# Altium PCB AMS_Master_A1.PcbDoc (part 2 of 2)
Units mil, origin at the board's own origin, x right, y up, seen from the top; angles counter-clockwise.
Board outline 4990 x 5235 mil, 4 copper layers (Top Layer, Int1 (GND), Int2 (PWR), Bottom Layer), stack 53.912 mil thick; 189 components, 127 nets, 609 pads, 321 vias.
Unrouted connection lines stored in the file: 1.
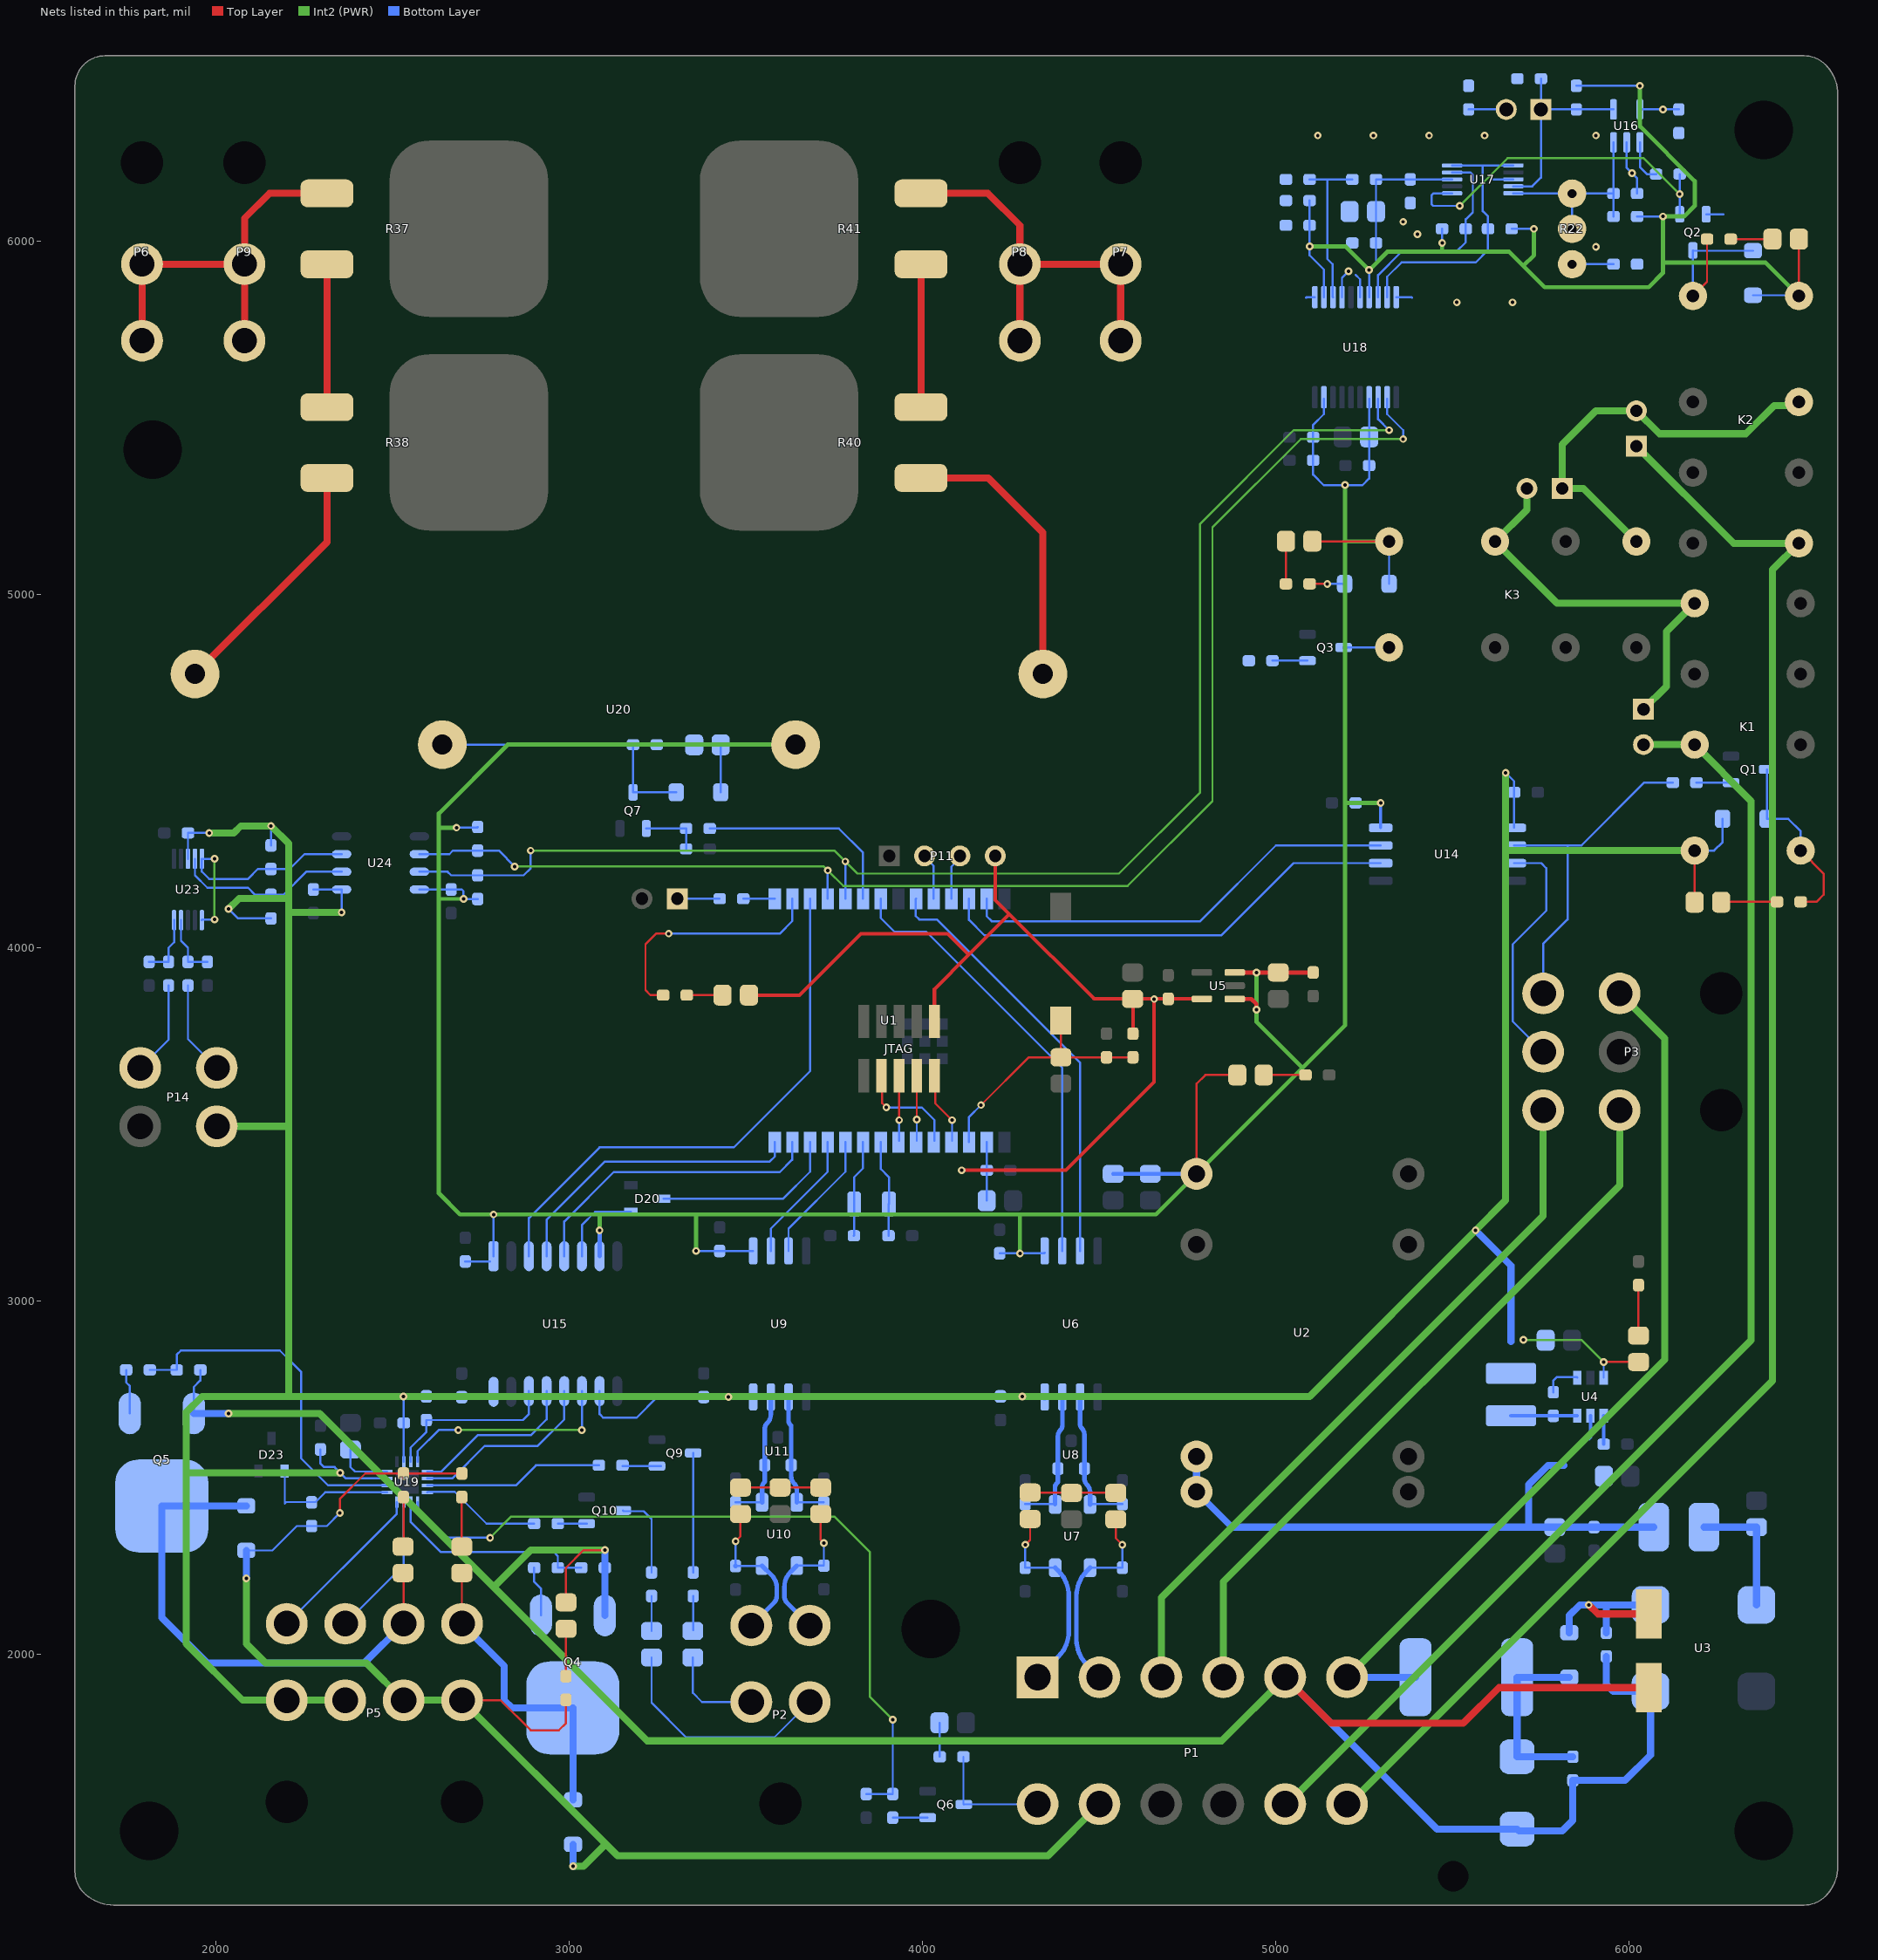
[diagram p4: the nets of this part, all layers, seen from the top]

## Via types
v1: diameter 21.65, hole 9.84, Top Layer to Bottom Layer, 321 vias

## Nets (pads, with @x,y where several pads share a name; then routed paths per layer and width w, separated by ;. In a path a pad name is that pad's centre, name@x,y a point inside that pad or via, vN(x,y) a via of type N, cw(c..) or ccw(c..) an arc to the next point about the centre after c; other vN are vias at no path point) (continued)
"3V3 (ISO)": C9.2 C14.2 C15.2 C57.2 D16.A JTAG.1 P11.4 R60.1 U1.2 U5.5 | length 3156
  Top Layer w10: D16.A@3507.87,3866.03 3651.03,3866.03 3825,4040 4070,4040 4130,3980 ; JTAG.1@4032.99,3791.54 4032.99,3882.99 4130,3980 ; v1(4110,3370) 4405,3370 4655,3620 v1(4655,3855) ; P11.4@4205,4260 4205,4135 4245,4095 ; R60.1@4595,3756.93 4595,3854.17 C14.2@4593.97,3855.2 ; U5.5@4790,3855.2 C15.2@4695,3855.2 C14.2@4593.97,3855.2 ; 4130,3980 4245,4095 ; 4245,4095 4484.8,3855.2 C14.2@4593.97,3855.2
  Bottom Layer w6: v1(4110,3370) C57.2@4180.98,3370 ; C9.2@4180.98,3283.97 C57.2@4180.98,3370 ; U1.2@4180.98,3450.55 C57.2@4180.98,3370
5V: C17.2 C18.2 C25.2 C36.2 C40.2 C55.2 C56.2 C59.2 C60.2 D4.A D5.A D6.K K1.16 L2.1 P5.5 P5.7 P14.2 R19.2 R57.2 R58.2 U4.3 U6.8 U9.8 U14.1 U15.10 U15.16 U19.7 U19.10 U23.8 U24.1 | length 12704.1
  Top Layer w6: v1(5927.4,2827.4) D4.A@6026.03,2827.4 ; D5.A@6185,4128.97 K1.16@6185,4275
  Int2 (PWR) w6: v1(5700,2890) 5864.8,2890 v1(5927.4,2827.4)
  Int2 (PWR) w20: 1920,2513.88 v1(2351.12,2513.88) ; v1(1980,4325) 2050,4325 2070,4345 v1(2155,4345) 2205,4295 2205,4140 ; P14.2@2001.54,3494.65 2200.35,3494.65 2205,3490 ; v1(2034.84,4109.84) 2065,4140 2205,4140 ; v1(2355,4100) 2205,4100 ; P5.5@2365,1870 P5.7@2199.65,1870 2075,1870 1915,2030 1915,2685 1960,2730 2205,2730 ; v1(5650,4495) 5650,4280 ; K1.16@6185,4275 5655,4275 5650,4280 ; 2205,2730 2205,3490 ; 2205,2730 v1(2530,2730) v1(4281.65,2730) 5095,2730 v1(5565,3200) 5650,3285 5650,4280 ; 2205,3490 2205,4100 ; 2205,4100 2205,4140
  Bottom Layer w5.98: U23.8@1920,4251.61 C55.2@1920,4325 ; v1(2034.84,4109.84) 2061.77,4082.91 R58.2@2154.84,4082.91 ; v1(2530,2730) R19.2@2595,2730 ; U19.10@2530.32,2545.32 2530.32,2655 2530,2655.32 2530,2729.37 v1@2530.32,2729.68 ; C25.2@3380,2728.31 v1(3450,2728.31) U9.8@3520,2728.31 ; C18.2@4220,2730 v1(4281.65,2730) U6.8@4343.31,2730
  Bottom Layer w6: C55.2@1920,4325 v1(1980,4325) ; R57.2@2154.84,4289.84 2154.92,4289.92 2154.92,4344.92 v1(2155,4345) ; C56.2@2275,4165 U24.1@2355,4165 v1(2355,4100) ; C59.2@2295,2580 2295,2540 2305,2530 2335,2530 2367.24,2497.76 U19.7@2483.39,2497.76 ; R19.2@2595,2730 2595.99,2729.01 2694.01,2729.01 C40.2@2695,2728.02 U15.16@2775,2728.02 ; U15.10@3085,2745.04 3085,2680 3095,2670 3190,2670 3248.31,2728.31 C25.2@3380,2728.31 ; v1(5650,4495) 5673.98,4471.02 C36.2@5673.98,4440 U14.1@5673.98,4339.53 ; U4.3@5927.4,2783.27 v1(5927.4,2827.4) ; K1.16@6185,4275 6240,4275 6264.02,4299.02 D6.K@6264.02,4365
  Bottom Layer w20: U6.8@4343.31,2730 U6.8@4345,2728.31 ; v1(5565,3200) 5665,3100 5665,2885
"5V (ISO)": C1.2 C2.2 C12.2 C13.2 C19.2 C26.2 C37.2 C38.2 C48.2 C49.2 C50.2 C51.2 C54.2 D2.A D9.A D10.K D17.A D18.K K3.16 R55.2 R56.2 U2.14 U5.1 U5.3 U6.1 U9.1 U14.8 U15.1 U15.7 U18.4 U18.9 U20.2 U24.8 | length 10586.2
  Top Layer w6: U2.14@4775,3360 4775,3615 4800,3640 D2.A@4890.2,3640 ; D9.A@5102.87,5151.03 5103.9,5150 K3.16@5320,5150
  Top Layer w12: U5.1@4883,3855.2 4929.8,3855.2 4943.87,3841.13 4943.87,3825.64 v1(4944.52,3825) ; U5.3@4883,3930 v1(4944.52,3930) C12.2@5006.03,3930 C13.2@5105,3930
  Int2 (PWR) w6: 2630,4140 2631.93,4138.07
  Int2 (PWR) w10: 2631.93,4138.07 v1(2700,4138.07)
  Int2 (PWR) w12: v1(2680,4340) 2630,4340 ; v1(3085,3200) 3085,3245 ; v1(3358.31,3141.69) v1@3360,3143.39 ; v1@3358.31,3143.39 3358.31,3245 ; U20.2@3640,4575 2825,4575 2630,4380 2630,4340 ; v1(4275,3135) 4275,3245 ; v1(4944.52,3930) v1(4944.52,3825) 4944.52,3790.48 5070,3665 ; v1(5195,5310) 5195,5150 ; v1@5295,4410 5195,4410 ; K3.16@5320,5150 5195,5150 ; 2630,4340 2630,4140 2630,3305 2690,3245 v1(2785,3245) 3085,3245 ; 3085,3245 3205,3245 3358.31,3245 ; 3358.31,3245 4275,3245 ; 4275,3245 4660,3245 U2.14@4775,3360 5195,3780 5195,4410 ; 5195,4410 5195,5150
  Bottom Layer w6: U24.8@2575,4165 C54.2@2665,4165 2695,4165 2700,4160 v1(2700,4138.07) R55.2@2740,4138.07 ; v1(2680,4340) 2738.07,4340 R56.2@2740,4341.93 ; C38.2@2705,3112.02 U15.1@2775,3112.02 ; U15.1@2785,3127.02 v1(2785,3245) ; v1(3358.31,3141.69) C26.2@3425,3141.69 U9.1@3520,3141.69 ; D18.K@3427.99,4440 D17.A@3427.99,4568.85 ; D17.A@3427.99,4575 U20.2@3640,4575 ; C19.2@4217.5,3135 v1(4275,3135) 4343.31,3135 U6.1@4345,3136.69 ; U18.9@5135.43,5553.27 5135.43,5510.43 5105,5480 C50.2@5105,5445 C51.2@5105,5380 5105,5339.45 5135,5309.45 5244.45,5309.45 5263.39,5328.39 C48.2@5263.39,5365 C49.2@5263.39,5446.03 U18.4@5263.39,5553.27 ; D10.K@5320,5030 K3.16@5320,5150
  Bottom Layer w8: C37.2@5225,4410 v1(5296.02,4410) U14.8@5296.02,4339.53
  Bottom Layer w10: C2.2@4538.97,3360 C1.2@4643.97,3360 U2.14@4760,3360
  Bottom Layer w12: U15.7@3085,3127.02 v1(3085,3200)
AIR+: D12.A D15.K P5.4 Q5.D | length 1482.9
  Top Layer w6: D15.K@2528.97,2230 2530.35,2228.61 P5.4@2530.35,2086.54
  Bottom Layer w20: D12.A@2085,2420 Q5.D@1846.06,2420 1846.06,2103.94 1975,1975 2418.82,1975 P5.4@2530.35,2086.54
AIR-: D11.A D14.K P5.2 Q4.D | length 873.6
  Top Layer w5.98: P5.2@2695.35,2086.89 D14.K@2695.35,2229.65
  Top Layer w20: D14.K@2695,2230 D14.K@2695.35,2229.65 ; P5.2@2695.35,2086.89 P5.2@2695.71,2086.54
  Bottom Layer w20: P5.2@2695.71,2086.54 2815,1967.24 2815,1870 2836.81,1848.19 Q4.D@3009.45,1848.19 3010,1847.64 D11.A@3010,1587.99
AIR_PWR_HEADER: D11.K D12.K P1.11 P5.1 P5.3 R28.2 R29.2 R43.2 R44.2 | length 4298.3
  Top Layer w5.98: v1(2350,2400) 2350,2440 2421.93,2511.93 R29.2@2530,2511.93 R28.2@2695.2,2511.93
  Top Layer w6: P5.1@2695.71,1870 2805,1870 2890,1785 2970,1785 2990,1805 R43.2@2990,1871.03 R43.2@2988.97,1870
  Int2 (PWR) w20: v1(2085,2215) 2085,2030 2140,1975 2425.35,1975 P5.3@2530.35,1870 P5.1@2695.71,1870 3102.85,1462.85 ; v1(3010,1400) 3040,1400 3102.85,1462.85 ; P1.11@4500.2,1575.94 4354.25,1430 3135.71,1430 3102.85,1462.85
  Bottom Layer w5.98: D12.K@2085,2294.02 2159.02,2294.02 2228.07,2363.07 R44.2@2270,2363.07 2313.07,2363.07 v1(2350,2400)
  Bottom Layer w20: v1(2085,2215) D12.K@2085,2294.02 ; v1(3010,1400) D11.K@3010,1462.01
BOOT0: BOOT.1 R2.2 | length 120
  Bottom Layer w6: BOOT.1@3305,4138.74 R2.2@3425,4138.74
CAN1_N: C22.2 P1.2 R5.1 U7.2 | length 580.8
  Top Layer w6: R5.1@4546.03,2382.13 4546.03,2328.97 v1(4565,2310)
  Bottom Layer w6: U7.2@4473.43,2245 C22.2@4565,2245 v1(4565,2310)
  Bottom Layer w12.99: U7.2@4473.43,2245 4464.33,2235.9 ccw(c4535.04,2165.19) 4435.04,2165.19 4435.04,2041.58 ccw(c4535.04,2041.58) 4464.33,1970.87 P1.2@4500.2,1935
CAN1_P: C21.2 P1.1 R4.2 U7.1 | length 582.8
  Top Layer w6: v1(4290.49,2310.49) 4303.97,2323.97 R4.2@4303.97,2383.07
  Bottom Layer w6: v1(4290.49,2310.49) 4290.25,2310.25 4290.25,2245.25 C21.2@4290,2245 U7.1@4375,2245
  Bottom Layer w12.99: P1.1@4325,1935 4384.1,1994.1 ccw(c4313.39,2064.81) 4413.39,2064.81 4413.39,2165.19 ccw(c4313.39,2165.19) 4384.1,2235.9 U7.1@4375,2245
CAN1_RX: U1.23 U6.3 | length 1219.4
  Bottom Layer w6: U1.23@3980.98,4138.74 3980,4137.76 3980,4090 3990,4080 4040,4080 4445,3675 U6.3@4445,3141.69
CAN1_TX: U1.21 U6.2 | length 1262.7
  Bottom Layer w6: U1.21@3880.98,4138.74 3880.98,4084.02 3920,4045 4010,4045 4395,3660 U6.2@4395,3141.69
CAN1F_N: C23.2 U6.6 U7.3 U8.1 | length 398.7
  Bottom Layer w6: U7.3@4473.43,2424.13 4474.29,2425 C23.2@4565,2425
  Bottom Layer w12.99: U6.6@4445,2723.31 4445,2652.07 ccw(c4462.07,2652.07) 4450,2640 cw(c4432.13,2622.13) 4457.4,2622.13 U8.1@4457.4,2525.63 4457.4,2498.34 ccw(c4483.34,2498.34) 4465,2480 cw(c4444.66,2459.66) 4473.43,2459.66 U7.3@4473.43,2424.13
CAN1F_P: C24.2 U6.7 U7.4 U8.2 | length 388
  Bottom Layer w6: C24.2@4290,2425 U7.4@4374.13,2425
  Bottom Layer w12.99: U7.4@4374.13,2425 4374.13,2470.84 cw(c4394.16,2470.84) 4380,2485 ccw(c4373.73,2491.27) 4382.6,2491.27 U8.2@4382.6,2525.63 4382.6,2617.13 cw(c4407.87,2617.13) 4390,2635 ccw(c4377.93,2647.07) 4395,2647.07 U6.7@4395,2723.31
CAN2_N: C29.2 P2.2 R7.1 U10.2 | length 436.4
  Top Layer w6: R7.1@3711.03,2397.13 3711.03,2323.97 v1(3720,2315)
  Bottom Layer w6: U10.2@3643.43,2250.87 C29.2@3720,2250.87 v1(3720,2315)
  Bottom Layer w12.99: U10.2@3643.43,2250.87 3626.24,2233.69 ccw(c3669.93,2190) 3608.15,2190 3608.15,2165 ccw(c3636.19,2165) 3616.36,2145.17 P2.2@3680,2081.54
CAN2_P: C28.2 P2.4 R6.2 U10.1 | length 441.3
  Top Layer w6: v1(3470,2320) 3483.97,2333.97 R6.2@3483.97,2397.13
  Bottom Layer w6: C28.2@3470,2250 v1(3470,2320) ; C28.2@3470.43,2250.43 U10.1@3544.57,2250.43
  Bottom Layer w12.99: C28.2@3470,2250 C28.2@3470.43,2250.43 ; P2.4@3514.65,2081.54 3578.28,2145.17 ccw(c3558.46,2165) 3586.5,2165 3586.5,2190 ccw(c3539.73,2190) 3572.8,2223.07 U10.1@3545,2250.87 U10.1@3544.57,2250.43
CAN2_RX: U1.10 U9.3 | length 374.8
  Bottom Layer w6: U9.3@3620,3141.69 3620,3205 3780.98,3365.98 U1.10@3780.98,3449.76
CAN2_TX: U1.11 U9.2 | length 374.8
  Bottom Layer w6: U9.2@3570,3141.69 3570,3205 3730.98,3365.98 U1.11@3730.98,3449.76
CAN2F_N: C30.2 U9.6 U10.3 U11.1 | length 381.1
  Bottom Layer w6: U10.3@3643.43,2430 C30.2@3720,2430
  Bottom Layer w12.99: U9.6@3620,2728.31 3620,2662.07 ccw(c3637.07,2662.07) 3625,2650 cw(c3619.2,2644.2) 3627.4,2644.2 U11.1@3627.4,2535.63 3627.4,2503.34 ccw(c3653.34,2503.34) 3635,2485 cw(c3614.66,2464.66) 3643.43,2464.66 U10.3@3643.43,2430
CAN2F_P: C31.2 U9.7 U10.4 U11.2 | length 380
  Bottom Layer w6: C31.2@3470,2430 U10.4@3545,2430
  Bottom Layer w12.99: U10.4@3545,2430 3545,2472.93 cw(c3562.07,2472.93) 3550,2485 ccw(c3543.73,2491.27) 3552.6,2491.27 U11.2@3552.6,2535.63 3552.6,2637.13 cw(c3577.87,2637.13) 3560,2655 ccw(c3535.86,2679.14) 3570,2679.14 U9.7@3570,2728.31
Charge_En: D22.A P2.1 | length 658.1
  Bottom Layer w6: D22.A@3232.32,1991.18 3232.32,1862.68 3330,1765 3580,1765 P2.1@3680,1865
Charge_Ready: D21.A P2.3 | length 276.6
  Bottom Layer w6: D21.A@3348.97,1991.18 3348.97,1891.03 3375,1865 P2.3@3514.65,1865
"CHASSIS REF": P1.4 P3.5 | length 2069.8
  Int2 (PWR) w20: P1.4@4850.59,1935 4850.59,2205.59 5972.6,3327.6 P3.5@5972.6,3540
CLK_ADC: U15.13 U19.13 | length 478.6
  Bottom Layer w6: U19.13@2597.56,2517.44 2637.44,2517.44 2740,2620 2890,2620 2935,2665 U15.13@2935,2745.04
CS_ADC: R19.1 U15.14 U19.11 | length 498.6
  Bottom Layer w6: U19.11@2550.32,2545 2550.32,2585.32 2595,2630 R19.1@2595,2663.07 2868.07,2663.07 2885,2680 U15.14@2885,2745.04
DEBUG: R8.1 U1.16 | length 692.9
  Top Layer w6: R8.1@3265,3866.03 3228.97,3866.03 3215,3880 3215,4010 3245,4040 v1(3281.03,4040)
  Bottom Layer w6: v1@3280,4040 v1(3281.03,4040) 3595,4040 3630.98,4075.98 U1.16@3630.98,4138.74
dIP_AIR+_FB: P5.8 U19.4 | length 473.2
  Bottom Layer w6: P5.8@2199.65,2086.54 2510.94,2397.83 U19.4@2510.94,2430.83
dIP_AIR-_FB: P5.6 U19.3 | length 412.9
  Bottom Layer w6: P5.6@2365,2086.54 2530.63,2252.17 U19.3@2530.63,2430.83
dIP_IMD_DATA: U1.26 U14.6 | length 1327.7
  Bottom Layer w6: U1.26@4130.98,4138.74 4130.98,4079.02 4175,4035 4845,4035 5049.53,4239.53 U14.6@5296.02,4239.53
dIP_IMD_OK: U1.27 U14.7 | length 1259.4
  Bottom Layer w6: U1.27@4180.98,4138.74 4180.98,4089.02 4195,4075 4785,4075 4999.53,4289.53 U14.7@5296.02,4289.53
dIP_SPI_MISO: D20.K U1.12 | length 530
  Bottom Layer w6: D20.K@3266.26,3290 3390,3290 3605,3290 3680.98,3365.98 U1.12@3680.98,3449.76
"DISCHARGE DISABLE": P1.12 Q6.D R30.2 | length 344.7
  Bottom Layer w6: R30.2@4115,1710 4115,1576.18 Q6.D@4116.18,1575 4116.65,1575.47 4324.53,1575.47 P1.12@4325,1575.94
dOP_AIR+: R32.1 R35.1 U19.6 | length 1021.2
  Bottom Layer w6: R32.1@1811.93,2805 R35.1@1888.07,2805 1888.07,2848.07 1900,2860 2180,2860 2240,2800 2240,2555 2316.93,2478.07 U19.6@2483.39,2478.07
dOP_AIR-: R31.1 R34.1 U19.2 | length 612.2
  Bottom Layer w6: U19.2@2550.32,2430.83 2550,2430.51 2550,2375 2635,2290 2955,2290 2966.93,2278.07 R31.1@2966.93,2245 R34.1@3033.07,2245
dOP_CHARGE_EN: R52.1 U19.16 | length 340.4
  Bottom Layer w6: U19.16@2597.56,2458.39 2599.17,2460 2675,2460 2765,2370 R52.1@2900,2370
dOP_CHARGE_RDY: R50.1 U19.15 | length 509.1
  Bottom Layer w6: U19.15@2597.56,2478.07 2848.07,2478.07 2905,2535 R50.1@3083.07,2535
"dOP_DISCHARGE DISABLE": R33.1 R36.1 U19.1 | length 2193.5
  Int2 (PWR) w6: v1(2775,2330) 2835,2390 3750,2390 3850,2290 3850,1880 v1(3915,1815)
  Bottom Layer w6: U19.1@2570,2430.83 2570,2400 2640,2330 v1(2775,2330) ; R36.1@3840,1604.53 R33.1@3915,1604.53 v1(3915,1815)
dOP_PRECHARGE_RLY: R42.1 U1.20 | length 592.8
  Bottom Layer w6: R42.1@3396.93,4337.64 3762.36,4337.64 3830.98,4269.02 U1.20@3830.98,4138.74
dOP_SPI_MOSI: U1.13 U15.5 | length 865.6
  Bottom Layer w6: U15.5@2985,3127.02 2985,3225 3125,3365 3595,3365 3630,3400 3630,3448.78 U1.13@3630.98,3449.76
dOP_SPI_nSS: U1.17 U15.3 | length 1564
  Bottom Layer w6: U15.3@2885,3127.02 2885,3235 3085,3435 3465,3435 3680.98,3650.98 U1.17@3680.98,4138.74
dOP_SPI_SCK: U1.14 U15.4 | length 863.9
  Bottom Layer w6: U15.4@2935,3127.02 2935,3230 3100,3395 3300,3395 3566.97,3395 3580.98,3409.02 U1.14@3580.98,3449.76
GL_IN: IMD.2 K1.13 P1.8 | length 3764.1
  Int2 (PWR) w20: P1.8@5024.79,1569.06 6345,2889.27 6345,4415 K1.13@6185,4575 IMD.2@6040,4575
GL_IN_2: AMS.2 IMD.1 K1.9 K3.13 | length 1184.8
  Int2 (PWR) w20: AMS.2@5710,5300 5710,5240 K3.13@5620,5150 5795,4975 K1.9@6185,4975 6105,4895 6105,4740 IMD.1@6040,4675
GL_OUT: K2.9 P1.7 PDOC.1 | length 4680.1
  Int2 (PWR) w20: P1.7@5199.98,1569.06 6405,2774.07 6405,5070 K2.9@6480,5145 6295,5145 PDOC.1@6020,5420
GL_PDOC_IN: AMS.1 K2.13 K3.9 PDOC.2 | length 1170.7
  Int2 (PWR) w20: K3.9@6020,5150 5870,5300 AMS.1@5810,5300 5810,5425 5905,5520 PDOC.2@6020,5520 6085,5455 6330,5455 6410,5535 6470,5535 K2.13@6480,5545
GLV+: F1.1 P1.6 P3.1 | length 2554.9
  Int2 (PWR) w20: P1.6@5200.98,1935 6100,2834.02 6100,3743.31 P3.1@5972.6,3870.71
  Bottom Layer w20: P1.6@5200.98,1935 F1.1@5395,1935
GLV-: C6.1 C7.1 C8.1 D3.A D19.K P1.5 Q4.S Q5.S R34.2 R35.2 U3.4 | length 7337.6
  Top Layer w5.98: D19.K@2990,2146.93 2990,2245 3040,2295 v1(3100,2295)
  Top Layer w20: P1.5@5025.79,1935 5155.79,1805 5530,1805 5630.67,1905.67 C8.1@6055,1905.67
  Int2 (PWR) w20: v1(2035,2681.81) 2293.19,2681.81 2785,2190 ; v1(3100,2295) 2890,2295 2785,2190 ; P1.5@5025.79,1935 4845.79,1755 3220,1755 2785,2190
  Bottom Layer w6: Q5.S@1936.61,2681.81 1936.61,2756.61 1955,2775 R35.2@1955,2805
  Bottom Layer w20: Q5.S@1936.61,2681.81 v1(2035,2681.81) ; Q4.S@3100,2110 R34.2@3100,2245 v1(3100,2295) ; P1.5@5025.79,1935 5455.51,1505.28 D3.A@5682.4,1505.28 5687.68,1500 5810,1500 5840,1530 C6.1@5840,1643.07 5988.07,1643.07 6060,1715 U3.4@6060,1895.12 5954.88,1895.12 5935,1915 C7.1@5935,1994.06
"GLV- REF": P1.3 P3.6 | length 2052.6
  Int2 (PWR) w20: P1.3@4675.39,1935 4675.39,2160.39 5756.06,3241.06 P3.6@5756.06,3540
GND_PDOC: C39.1 C41.1 C42.1 C43.1 C44.2 C45.2 C46.1 C47.1 Q2.S R20.1 R23.1 R27.1 U16.2 U17.3 U18.11 U18.14 U18.16 U18.20 | length 483.2
  Bottom Layer w6: 5085,5840 5086.73,5841.73 U18.11@5109.84,5841.73 ; U18.14@5186.61,5841.73 5186.61,5896.61 v1(5205,5915) ; 5225,5905 5237.8,5892.2 U18.16@5237.8,5841.73 ; U18.20@5340.16,5841.73 5383.27,5841.73 5385,5840 ; 5615,6175 U17.3@5671.61,6175 ; U16.2@5992.6,6280 5992.6,6207.4 6022.13,6177.87 C42.1@6022.13,6135 ; Q2.S@6217.4,6076.18 6266.18,6076.18
  other v1: 5511.81,5826.77 5669.29,5826.77 5905.51,5984.25 5400,6020 5360,6055 6007.36,6192.64 5118.11,6299.21 5275.59,6299.21 5433.07,6299.21 5590.55,6299.21 5905.51,6299.21
H_REF: P14.4 R53.1 | length 266.8
  Bottom Layer w6: R53.1@1920,3893.07 1920,3741.54 P14.4@2001.54,3660
HIGH_REF: C52.2 R53.2 U23.4 | length 181.5
  Bottom Layer w6: U23.4@1900.31,4078.39 1900.31,4019.69 1920,4000 R53.2@1920,3960 C52.2@1975,3960
"HV Battery+": P7.1 P7.2 P8.1 P8.2 R41.2 | length 1145.5
  Top Layer w20: R41.2@3995,6135.39 4184.61,6135.39 4275,6045 P8.1@4275,5935 ; P8.2@4275,5718.46 P8.1@4275,5935 ; P7.2@4560,5718.46 P7.1@4560,5935 P8.1@4275,5935
"HV MC+": P6.1 P6.2 P9.1 P9.2 R37.1 | length 1115.7
  Top Layer w20: P6.2@1790,5718.46 P6.1@1790,5935 P9.1@2080,5935 ; P9.2@2080,5718.46 P9.1@2080,5935 ; R37.1@2313.43,6135.39 2150.39,6135.39 2080,6065 P9.1@2080,5935
I2C1_SCL: R56.1 U1.18 U18.2 U24.6 | length 4020.9
  Int2 (PWR) w6: v1(2845,4230) 3719.64,4230 3730.63,4219.02 v1(3730.98,4219.02) 3775,4175 4580,4175 4820,4415 4820,5190 5070,5440 v1(5360,5440)
  Bottom Layer w6: U24.6@2575,4265 2660,4265 2670,4275 R56.1@2740,4275 2800,4275 v1(2845,4230) ; U1.18@3730.98,4138.74 v1(3730.98,4219.02) ; U18.2@5314.57,5553.27 5314.57,5510.43 5360,5465 v1(5360,5440)
I2C1_SDA: R55.1 U1.19 U18.3 U24.7 | length 4005.8
  Int2 (PWR) w6: v1(2890,4275) 3750,4275 3815,4210 4555,4210 4785,4440 4785,5200 5050,5465 v1(5320,5465)
  Bottom Layer w6: U24.7@2575,4215 2655,4215 2665,4205 R55.1@2740,4205 2870,4205 2890,4225 v1(2890,4275) ; U1.19@3780.98,4138.74 v1(3780.98,4244.02) ; U18.3@5288.98,5553.27 5288.98,5496.02 v1(5320,5465)
"IMD Data": P3.4 U14.3 | length 691.7
  Bottom Layer w6: U14.3@5673.98,4239.53 5750.47,4239.53 5765,4225 5765,4105 5670,4010 5670,3791.42 P3.4@5756.06,3705.35
"IMD OK": P3.2 R13.1 U14.2 | length 970.2
  Bottom Layer w6: U14.2@5673.98,4289.53 5825,4289.53 ; P3.2@5756.06,3870.71 5756.06,4011.06 5825,4080 5825,4289.53 ; R13.1@6123.07,4467.6 6042.6,4467.6 5864.53,4289.53 5825,4289.53
L_REF: P14.3 R54.1 | length 266.2
  Bottom Layer w6: P14.3@1785,3660 1865,3740 R54.1@1865,3893.07
LOW_REF: C53.2 R54.2 U23.5 | length 179.9
  Bottom Layer w6: C53.2@1810,3960 R54.2@1865,3960 1865,4000 1880.63,4015.63 U23.5@1880.63,4078.39
MISO_ADC: U15.11 U19.12 | length 629.9
  Int2 (PWR) w6: v1(2685,2635) v1(3035,2635)
  Bottom Layer w6: U19.12@2570,2545 2570,2575 2630,2635 v1(2685,2635) ; v1(3035,2635) U15.11@3035,2745.04
MOSI_ADC: U15.12 U19.14 | length 536.8
  Bottom Layer w6: U19.14@2597.56,2497.76 2667.76,2497.76 2760,2590 2910,2590 2985,2665 U15.12@2985,2745.04
NetC3_2: C3.2 L1.2 U3.2 | length 369.1
  Bottom Layer w20: L1.2@6210.87,2360 C3.2@6360,2360 U3.2@6360,2140
NetC6_2: C6.2 D1.A D3.K F1.2 | length 530.2
  Bottom Layer w20: D1.A@5830,1935 F1.2@5682.4,1935 D3.K@5682.4,1710 C6.2@5840,1710
NetC10_1: C10.1 L2.2 U4.6 | length 187.6
  Bottom Layer w10: L2.2@5665,2675 C10.1@5785,2675 U4.6@5852.6,2675
NetC10_2: C10.2 U4.1 | length 105.5
  Bottom Layer w6: C10.2@5785,2741.93 5785,2775 5795,2785 5850.87,2785 U4.1@5852.6,2783.27
NetC20_2: C20.2 R4.1 R5.2 | length 242.5
  Top Layer w6: R4.1@4303.97,2457.87 4304.44,2457.4 4545.56,2457.4 R5.2@4546.03,2456.93
NetC27_2: C27.2 R6.1 R7.2 | length 227.1
  Top Layer w6: R6.1@3483.97,2471.93 C27.2@3596.03,2471.93 R7.2@3711.03,2471.93
NetC39_2: C39.2 P10.2 R18.1 U16.4 U17.4 | length 573.8
  Bottom Layer w6: U17.4@5671.61,6155.31 5725.31,6155.31 5750,6180 P10.2@5750,6373 ; C39.2@5750,6460 P10.2@5750,6373 ; U16.4@5955.2,6373 R18.1@5850,6373 P10.2@5750,6373
NetC42_2: C42.2 R21.1 R22.1 R22.2 U16.3 U17.5 | length 593.8
  Bottom Layer w6: U17.5@5671.61,6135.63 5671.93,6135.31 5837.69,6135.31 R22.1@5838,6135 ; R22.2@5838,6035 R22.1@5838,6135 ; R21.1@5955.2,6070 C42.2@5955.2,6135 ; U16.3@5955.2,6280 C42.2@5955.2,6135 ; R22.1@5838,6135 C42.2@5955.2,6135
NetC58_2: C58.2 U19.8 | length 158.6
  Bottom Layer w6: C58.2@2380,2580 2380,2530 2392.56,2517.44 U19.8@2483.39,2517.44
NetD2_K: D2.K R1.2 | length 116.1
  Top Layer w6: D2.K@4967.13,3640 R1.2@5083.27,3640
NetD4_K: D4.K R3.2 | length 142.8
  Top Layer w6: D4.K@6026.03,2902.2 R3.2@6026.03,3045
NetD5_K: D5.K R12.2 | length 158.7
  Top Layer w6: D5.K@6259.8,4128.97 6260.83,4130 R12.2@6418.07,4130
NetD6_A: D6.A K1.1 Q1.D R12.1 | length 529.7
  Top Layer w6: R12.1@6485,4130 6530,4130 6550,4150 6550,4210 K1.1@6485,4275
  Bottom Layer w6: Q1.D@6390,4505 D6.A@6390,4365 6450,4365 6485,4330 K1.1@6485,4275
NetD7_K: D7.K R15.2 | length 118.3
  Top Layer w6: R15.2@6286.93,6006.03 D7.K@6405.2,6006.03
NetD8_A: D8.A K2.1 Q2.D R15.1 | length 476.8
  Top Layer w6: K2.1@6180,5845 6220,5885 R15.1@6220,6006.03
  Bottom Layer w6: K2.1@6180,5845 Q2.D@6180,5973.82 6180.83,5972.99 D8.A@6350,5972.99
NetD9_K: D9.K R16.2 | length 121
  Top Layer w6: R16.2@5028.07,5030 D9.K@5028.07,5151.03
NetD10_A: D10.A K3.1 Q3.D R16.1 | length 409
  Top Layer w6: R16.1@5095,5030 v1(5145,5030)
  Bottom Layer w6: v1(5145,5030) D10.A@5194.02,5030 5194.02,4852.83 Q3.D@5191.18,4850 5194.02,4850 K3.1@5320,4850
NetD13_A: D13.A R30.1 | length 96.4
  Bottom Layer w6: D13.A@4047.13,1806.03 4048.07,1805.09 R30.1@4048.07,1710
NetD14_A: D14.A R28.1 | length 140.3
  Top Layer w6: D14.A@2695,2304.8 2695.2,2305 R28.1@2695.2,2445
NetD15_A: D15.A R29.1 | length 140.6
  Top Layer w6: D15.A@2528.97,2304.8 2530,2305.83 R29.1@2530,2445
NetD16_K: D16.K R8.2 | length 101.1
  Top Layer w6: R8.2@3331.93,3866.03 D16.K@3433.07,3866.03
NetD17_K: D17.K R39.2 | length 106.6
  Bottom Layer w6: R39.2@3246.93,4575 D17.K@3352.04,4575 ; D17.K@3352.04,4575.52 D17.K@3353.07,4574.48
NetD18_A: D18.A Q7.D R39.1 U20.3 | length 792
  Bottom Layer w6: U20.3@2640,4575 R39.1@3180,4575 ; R39.1@3180,4570 Q7.D@3180,4440 D18.A@3302.01,4440
NetD19_A: D19.A R43.1 | length 134.2
  Top Layer w6: R43.1@2990,1937.96 D19.A@2990,2072.13
NetD20_A: D20.A U15.6 | length 242.3
  Bottom Layer w6: U15.6@3035,3127.02 3035,3215 3072.6,3252.6 D20.A@3173.74,3252.6
NetD21_K: D21.K R49.2 | length 97
  Bottom Layer w6: D21.K@3350,2067.96 R49.2@3350,2165
NetD22_K: D22.K R51.2 | length 99
  Bottom Layer w6: D22.K@3232.32,2065.98 R51.2@3232.32,2165
NetD23_A: D23.A R44.1 U19.5 | length 394.3
  Bottom Layer w6: D23.A@2193.98,2518.74 2193.98,2426.93 2198.07,2431.02 2281.02,2431.02 2308.39,2458.39 U19.5@2483.39,2458.39
NetP10_1: P10.1 R20.2 | length 106.6
  Bottom Layer w6: R20.2@5545,6373.07 5545.07,6373 P10.1@5651.57,6373
NetQ1_G: Q1.G R13.2 | length 97.6
  Bottom Layer w6: R13.2@6190,4467.6 Q1.G@6287.64,4467.6
NetQ3_G: Q3.G R17.2 | length 98.8
  Bottom Layer w6: R17.2@4990,4812.6 Q3.G@5088.82,4812.6
NetQ4_G: Q4.G R31.2 | length 142.8
  Bottom Layer w6: R31.2@2900,2245 2900,2205 2918.9,2186.1 Q4.G@2918.9,2110
NetQ5_G: Q5.G R32.2 | length 127.5
  Bottom Layer w6: R32.2@1745,2805 1745,2770 1755.51,2759.49 Q5.G@1755.51,2681.81
NetQ6_G: Q6.G R33.2 | length 98.8
  Bottom Layer w6: R33.2@3915,1537.6 Q6.G@4013.82,1537.6
NetQ7_G: Q7.G R9.1 R42.2 | length 170.2
  Bottom Layer w6: Q7.G@3217.4,4337.64 R42.2@3330,4337.64 R9.1@3330,4280
NetQ9_D: Q9.D R49.1 | length 338.1
  Bottom Layer w6: R49.1@3350,2231.93 Q9.D@3350,2570
NetQ9_G: Q9.G R50.2 | length 108.8
  Bottom Layer w6: R50.2@3150,2532.6 Q9.G@3247.64,2532.6 Q9.G@3258.82,2532.6
NetQ10_D: Q10.D R51.1 | length 242.1
  Bottom Layer w6: Q10.D@3151.18,2407.32 3153.5,2405 3210,2405 3232.32,2382.68 R51.1@3232.32,2231.93
NetQ10_G: Q10.G R52.2 | length 81.9
  Bottom Layer w6: R52.2@2966.97,2369.96 3048.78,2369.96 Q10.G@3048.82,2369.92
NetR2_1: R2.1 U1.15 | length 89.1
  Bottom Layer w6: R2.1@3491.93,4138.74 U1.15@3580.98,4138.74
NetR14_1: R14.1 U16.1 | length 124
  Bottom Layer w6: U16.1@6030,6280 6030,6210 6050,6190 R14.1@6075.67,6190
NetR17_1: R17.1
NetR22_3: R22.3 R23.2 | length 117.2
  Bottom Layer w6: R22.3@5838,5935 R23.2@5955.2,5935
NetR24_1: R24.1 U17.1 U17.10 U18.19 | length 793.3
  Bottom Layer w6: U18.19@5314.57,5841.73 5314.57,5899.57 5355,5940 5565,5940 5600,5975 R24.1@5600,6035 5600,6070 5585,6085 5585,6214.37 ; U17.10@5498.39,6214.37 5585,6214.37 ; U17.1@5671.61,6214.37 5585,6214.37
NetR25_1: R25.1 U17.9 U18.18 | length 609.4
  Bottom Layer w6: U18.18@5288.98,5841.73 5288.98,5903.98 5355,5970 5510,5970 5536.93,5996.93 5536.93,6061.93 5556.93,6081.93 5556.93,6188.07 5550.31,6194.69 U17.9@5498.39,6194.69
NetR37_2: R37.2 R38.1 | length 404.2
  Top Layer w20: R38.1@2313.43,5530.39 R37.2@2313.43,5934.61
NetR38_2: R38.2 U20.4 | length 709.3
  Top Layer w20: U20.4@1940,4775 2313.43,5148.43 R38.2@2313.43,5329.61
NetR40_1: R40.1 U20.1 | length 809
  Top Layer w20: R40.1@3995,5329.61 4185.39,5329.61 4340,5175 U20.1@4340,4775
NetR40_2: R40.2 R41.1 | length 404.2
  Top Layer w20: R40.2@3995,5530.39 R41.1@3995,5934.61
NetR57_1: R57.1 U23.1 U23.10 U24.3 | length 712.7
  Int2 (PWR) w6: v1(1995,4080) v1(1995,4251.61)
  Bottom Layer w6: U23.1@1959.37,4078.39 1960.98,4080 v1(1995,4080) ; v1(1995,4251.61) U23.10@1959.37,4251.61 1959.37,4215.63 1980,4195 2090,4195 2117.91,4222.91 R57.1@2154.84,4222.91 2207.91,4222.91 2250,4265 U24.3@2355,4265
NetR58_1: R58.1 U23.9 U24.2 | length 511.6
  Bottom Layer w6: U23.9@1939.69,4251.61 1939.69,4205.31 1975,4170 2090,4170 2110.16,4149.84 R58.1@2154.84,4149.84 2189.84,4149.84 2255,4215 U24.2@2355,4215
NRST: C61.1 C62.2 R60.2 S1.1 U1.3 | length 709.3
  Top Layer w6: v1(4165,3555) 4300,3690 C62.2@4391.03,3690 ; S1.1@4390,3793.58 4391.03,3792.55 C62.2@4391.03,3690 ; R60.2@4595,3690 C61.1@4520,3690 C62.2@4391.03,3690
  Bottom Layer w6: U1.3@4130.98,3449.76 4130.98,3520.98 v1(4165,3555)
OSC32_IN: C65.2 U1.8 X1.1 | length 274.8
  Bottom Layer w6: U1.8@3880.98,3450.55 3880.98,3374.02 3904.21,3350.79 X1.1@3904.21,3275 ; C65.2@3903.07,3185 3903.64,3185.57 X1.1@3903.64,3274.43
OSC32_OUT: C66.2 U1.9 X1.2 | length 275.8
  Bottom Layer w6: C66.2@3805,3185 3805.39,3185.39 X1.2@3805.39,3274.61 ; X1.2@3805.79,3275 3805.79,3350.79 3830.98,3375.98 U1.9@3830.98,3450.55
PDOC_OK: Q2.G R14.2 U17.6 | length 1002.3
  Int2 (PWR) w6: v1(5520,6100) 5655,6235 6040.69,6235 v1(6142.6,6133.09)
  Bottom Layer w6: U17.6@5498.39,6135.63 5445.63,6135.63 5440,6130 5440,6105 5445,6100 v1(5520,6100) ; Q2.G@6142.6,6076.18 v1(6142.6,6133.09) R14.2@6142.6,6190
TCK: JTAG.4 U1.6 | length 184.4
  Top Layer w6: v1(3982.99,3513.98) JTAG.4@3982.99,3637.99
  Bottom Layer w6: U1.6@3982.99,3453.54 v1(3982.99,3513.98)
TDI: JTAG.8 U1.5 | length 310.6
  Top Layer w6: JTAG.8@3885,3640 3885,3560 v1@3900,3545
  Bottom Layer w6: v1(3897.01,3547.99) 3997.01,3547.99 4032.99,3512.01 U1.5@4032.99,3453.54
TDO: JTAG.6 U1.7 | length 184.4
  Top Layer w6: v1(3932.99,3512.01) JTAG.6@3932.99,3637.99
  Bottom Layer w6: U1.7@3932.99,3453.54 v1(3932.99,3512.01)
TMS: JTAG.2 U1.4 | length 210.6
  Top Layer w6: JTAG.2@4035,3640 4035,3560 v1@4085.98,3509.02
  Bottom Layer w6: U1.4@4082.99,3453.54 v1(4082.99,3512.01)
UART_RX: P11.2 U1.24 | length 132
  Bottom Layer w6: P11.2@4005,4260 4005,4257.48 4030.98,4231.5 U1.24@4030.98,4138.74
UART_TX: P11.3 U1.25 | length 131.2
  Bottom Layer w6: U1.25@4080.98,4138.74 4080.98,4229.53 4105,4253.55 P11.3@4105,4260
V_SEL: R26.1 R27.2 U18.13 | length 460.8
  Bottom Layer w6: R27.2@5095,6175 5145,6175 ; U18.13@5161.02,5841.73 5160,5842.76 5160,5935 5145,5950 5145,6175 ; R26.1@5215.94,6175 5145,6175
VBAT_D: C7.2 C8.2 D1.K U3.1 | length 553.2
  Top Layer w20: v1(5885,2140) 5885.45,2140 5911.12,2114.33 C8.2@6055,2114.33
  Bottom Layer w20: D1.K@5830,2060.98 5830,2110 5860,2140 v1(5885,2140) 5940,2140 ; C7.2@5935,2060.98 5935,2135 5940,2140 ; U3.1@6060,2140 5940,2140
VBAT_F: C4.2 C5.2 C11.2 C16.2 L1.1 U2.22 U2.23 U4.4 U4.5 | length 1825.4
  Bottom Layer w10: 5885,2610 5890,2615 U4.5@5890,2675 ; C16.2@5927.4,2595 U4.4@5927.4,2675
  Bottom Layer w20: U2.22@4775,2560 U2.23@4775,2460 4875,2360 5715,2360 ; 5815,2535 5770,2535 5715,2480 5715,2360 ; L1.1@6069.13,2360 C5.2@5900,2360 C4.2@5788.97,2360 5715,2360
VDD_PDOC: C41.2 C43.2 C44.1 C45.1 C46.2 C47.2 D7.A D8.K K2.16 R18.2 R21.2 R24.2 R25.2 R26.2 U16.5 U17.8 U18.12 U18.17 | length 4014.4
  Top Layer w6: K2.16@6480,5845 D7.A@6480,6006.03
  Int2 (PWR) w12: v1(5095,5985) 5196.77,5985 v1(5263.39,5918.39) 5315,5970 5470,5970 ; v1(5470,5995) 5470,5970 ; v1(5730,6035) 5730,5960 5700,5930 ; v1(6030,6440) 6030,6325 6185,6170 6185,6100 6155,6070 v1(6095,6070) 6095,5940 ; v1(6095,6373) v1@6095,6375 ; K2.16@6480,5845 6385,5940 6095,5940 ; 5470,5970 5660,5970 5700,5930 ; 5700,5930 5760,5870 6055,5870 6095,5910 6095,5940
  Bottom Layer w6: C46.2@5095,6115 C44.1@5095,6045 v1(5095,5985) 5095,5960 5135.43,5919.57 U18.12@5135.43,5841.73 ; U18.17@5263.39,5841.73 v1(5263.39,5918.39) 5282.87,5937.87 C47.2@5282.87,5995 C45.1@5282.87,6083.97 R26.2@5282.87,6175 C43.2@5380,6175 U17.8@5498.39,6175 ; v1(5470,5995) R25.2@5470,6035 ; R24.2@5666.93,6035 v1(5730,6035) ; R18.2@5850,6439.93 5850.07,6440 v1(6030,6440) U16.5@6030,6373 v1(6095,6373) C41.2@6140,6373 ; R21.2@6022.13,6070 v1(6095,6070) ; D8.K@6350,5847.01 6477.99,5847.01 cw(c6477.99,5845) K2.16@6480,5845
pads on no net: D20.2 D23.2 JTAG.10 K1.4 K1.6 K1.8 K1.11 K2.4 K2.6 K2.8 K2.11 K3.4 K3.6 K3.8 K3.11 P1.9 P1.10 P1.13 P2. P3. P5. P6. P7. P8. P9. R37. R38. R40. R41. U1.22 U2.9 U2.11 U5.4 U17.2 U17.7 U18.6 U18.15 U19.17 U23.2 U23.6 U23.7

## Polygon pours and split planes (outlines as drawn)
"0V (ISO)" on Bottom Layer "5V_TOP_1" (solid, pour order 11): 5380,5605 5380,5230 5355,5205 5355,3660 4765,3070 2535,3070 2535,4595 2600,4660 3670,4660 3955,4375 4660,4375 4660,5210 5055,5605
0V on Bottom Layer "5V_TOP_1" (solid, pour order 3): 6590,5605 5620,5605 5620,5230 5595,5205 5595,3660 4870,2935 2390,2935 2390,4375 1600,4375 1600,1390 ccw(c1700,1390) 1700,1290 6490,1290 ccw(c6490,1390) 6590,1390 6590,1540
GND_PDOC on Bottom Layer "5V_TOP_1" (solid, pour order 10): 6590,5800 5075,5800 4935,5940 4935,6525 6490,6525 cw(c6490,6425) 6590,6425 6590,6385
5V on Bottom Layer "5V_TOP_1" (solid, pour order 1): 5790,2915 5790,2825 5730,2765 5590,2765 5585,2770 5585,2915 5595,2925 5780,2925
VBAT_F on Bottom Layer "5V_TOP_1" (solid, pour order 0): 5950,2635 5955,2630 5955,2470 5950,2465 5795,2465 5790,2470 5790,2630 5795,2635
"0V (ISO)" on Top Layer "5V_TOP_1" (solid, pour order 14): 5380,5605 5380,5230 5355,5205 5355,3660 4765,3070 2535,3070 2535,4595 2600,4660 3670,4660 3955,4375 4660,4375 4660,5210 5055,5605
0V on Top Layer "5V_TOP_1" (solid, pour order 6): 6590,5605 5620,5605 5620,5230 5595,5205 5595,3660 4870,2935 2390,2935 2390,4375 1600,4375 1600,1390 ccw(c1700,1390) 1700,1290 6490,1290 ccw(c6490,1390) 6590,1390 6590,1540
GND_PDOC on Top Layer "5V_TOP_1" (solid, pour order 7): 6590,5800 5075,5800 4935,5940 4935,6525 6490,6525 cw(c6490,6425) 6590,6425 6590,6385
"0V (ISO)" on Int2 (PWR) "5V_TOP_1" (solid, pour order 12): 5380,5605 5380,5230 5355,5205 5355,3660 4765,3070 2535,3070 2535,4595 2600,4660 3670,4660 3955,4375 4660,4375 4660,5210 5055,5605
0V on Int2 (PWR) "5V_TOP_1" (solid, pour order 5): 6590,5605 5620,5605 5620,5230 5595,5205 5595,3660 4870,2935 2390,2935 2390,4375 1600,4375 1600,1390 ccw(c1700,1390) 1700,1290 6490,1290 ccw(c6490,1390) 6590,1390 6590,1540
GND_PDOC on Int2 (PWR) "5V_TOP_1" (solid, pour order 8): 6590,5800 5075,5800 4935,5940 4935,6525 6490,6525 cw(c6490,6425) 6590,6425 6590,6385
"0V (ISO)" on Int1 (GND) "5V_TOP_1" (solid, pour order 13): 5380,5605 5380,5230 5355,5205 5355,3660 4765,3070 2535,3070 2535,4595 2600,4660 3670,4660 3955,4375 4660,4375 4660,5210 5055,5605
0V on Int1 (GND) "5V_TOP_1" (solid, pour order 4): 6590,5605 5620,5605 5620,5230 5595,5205 5595,3660 4870,2935 2390,2935 2390,4375 1600,4375 1600,1390 ccw(c1700,1390) 1700,1290 6490,1290 ccw(c6490,1390) 6590,1390 6590,1540
GND_PDOC on Int1 (GND) "5V_TOP_1" (solid, pour order 9): 6590,5800 5075,5800 4935,5940 4935,6525 6490,6525 cw(c6490,6425) 6590,6425 6590,6385

## Keep-outs
Keep-Out Layer:
  circle w10: c1820,5410 r188.98
  circle w10: c6380,6315 r188.98
  circle w10: c6380,1500 r188.98
  circle w10: c1810,1500 r188.98

## Silkscreen, mask and mechanical layers (free items; w line width, h text height)
Top Overlay:
  circle w10: c1820,5410 r196.85
  circle w10: c1810,1500 r196.85
  circle w10: c6380,1500 r196.85
  circle w10: c6380,6315 r196.85
  lines w10: 2390,4375 2390,2935 4870,2935 5060,3125 5595,3660 5595,3870 5595,4805 ; 4015,4375 3955,4375 3670,4660 2600,4660 2535,4595 2535,3070 4765,3070 5355,3660 5355,3845 5355,4805 ; 4665,5100 4665,5215 5055,5605 5130,5605 ; 4935,6520 4935,5940 5075,5800 6590,5800 ; 5135,5605 5380,5605 5380,5230 5355,5205 ; 5595,4900 5595,5100 ; 5595,5205 5620,5230 5620,5605 5905,5605 6590,5605
  text "BATTERY -" at 2243.35,6334.79 h78.74
  text "PDOC REF" at 5298.46,5840.63 h78.74
  text "BATTERY +" at 4815.21,5818.35 h78.74 r90
  text "RESET" at 4492.2,3985.63 h78.74
  text "DEBUG" at 3208.15,3693.66 h78.74
  text "5V" at 6096.26,2905.63 h78.74
  text "CAN 2 TERM." at 3357.85,2538.66 h78.74
  text "CAN 1 TERM." at 4172.85,2538.66 h78.74
  text "AIR-" at 2761.57,2195.63 h78.74
  text "AIR+" at 2236.57,2190.63 h78.74
  text "AIR PWR" at 2832.83,1629.51 h78.74
Bottom Overlay:
  circle w10: c1820,5410 r196.85
  circle w10: c6380,1500 r196.85
  circle w10: c6380,6315 r196.85
  circle w10: c1810,1500 r196.85
  lines w10: 1600,4375 2390,4375 2390,2935 4870,2935 5060,3125 5595,3660 5595,3865 ; 2535,4240 2535,4595 2600,4660 3670,4660 3955,4375 4660,4375 4660,5070 4660,5210 5055,5605 5130,5605 ; 2535,4365 2535,3070 4765,3070 5355,3660 5355,3970 5355,4805 ; 4935,6520 4935,5940 5075,5800 6590,5800 ; 5135,5605 5380,5605 5380,5230 5355,5205 ; 5355,4900 5355,5100 ; 5595,3870 5595,4805 ; 5595,4900 5595,5100 ; 5595,5205 5620,5230 5620,5605 6590,5605
  text "BATTERY +" at 4815.21,6322.64 h78.74 r90
  text "BATTERY -" at 2355.21,6302.64 h78.74 r90
Mechanical 1:
  lines w10: 1600,1385.36 ccw(c1685.36,1385.36) 1625,1325 ccw(c1709.5,1409.5) 1709.5,1290 1780,1290 3875,1290 6385,1290 6494.64,1290 ccw(c6494.64,1375.36) 6555,1315 ccw(c6470.5,1399.5) 6590,1399.5 6590,6355 6590,6395 6590,6415.5 ccw(c6470.5,6415.5) 6555,6500 ccw(c6494.64,6439.64) 6494.64,6525 6460,6525 6380,6525 1695,6525 1685.36,6525 ccw(c1685.36,6439.64) 1625,6500 ccw(c1685.36,6439.64) 1600,6439.64 1600,6430 1600,3401.25 1600,1385.36

## Text inside footprints (layer, text, board x,y; h text height)
C8: Top Overlay "+" at 5945,2185 h60 r90